# KiCad board dogooder.kicad_pcb
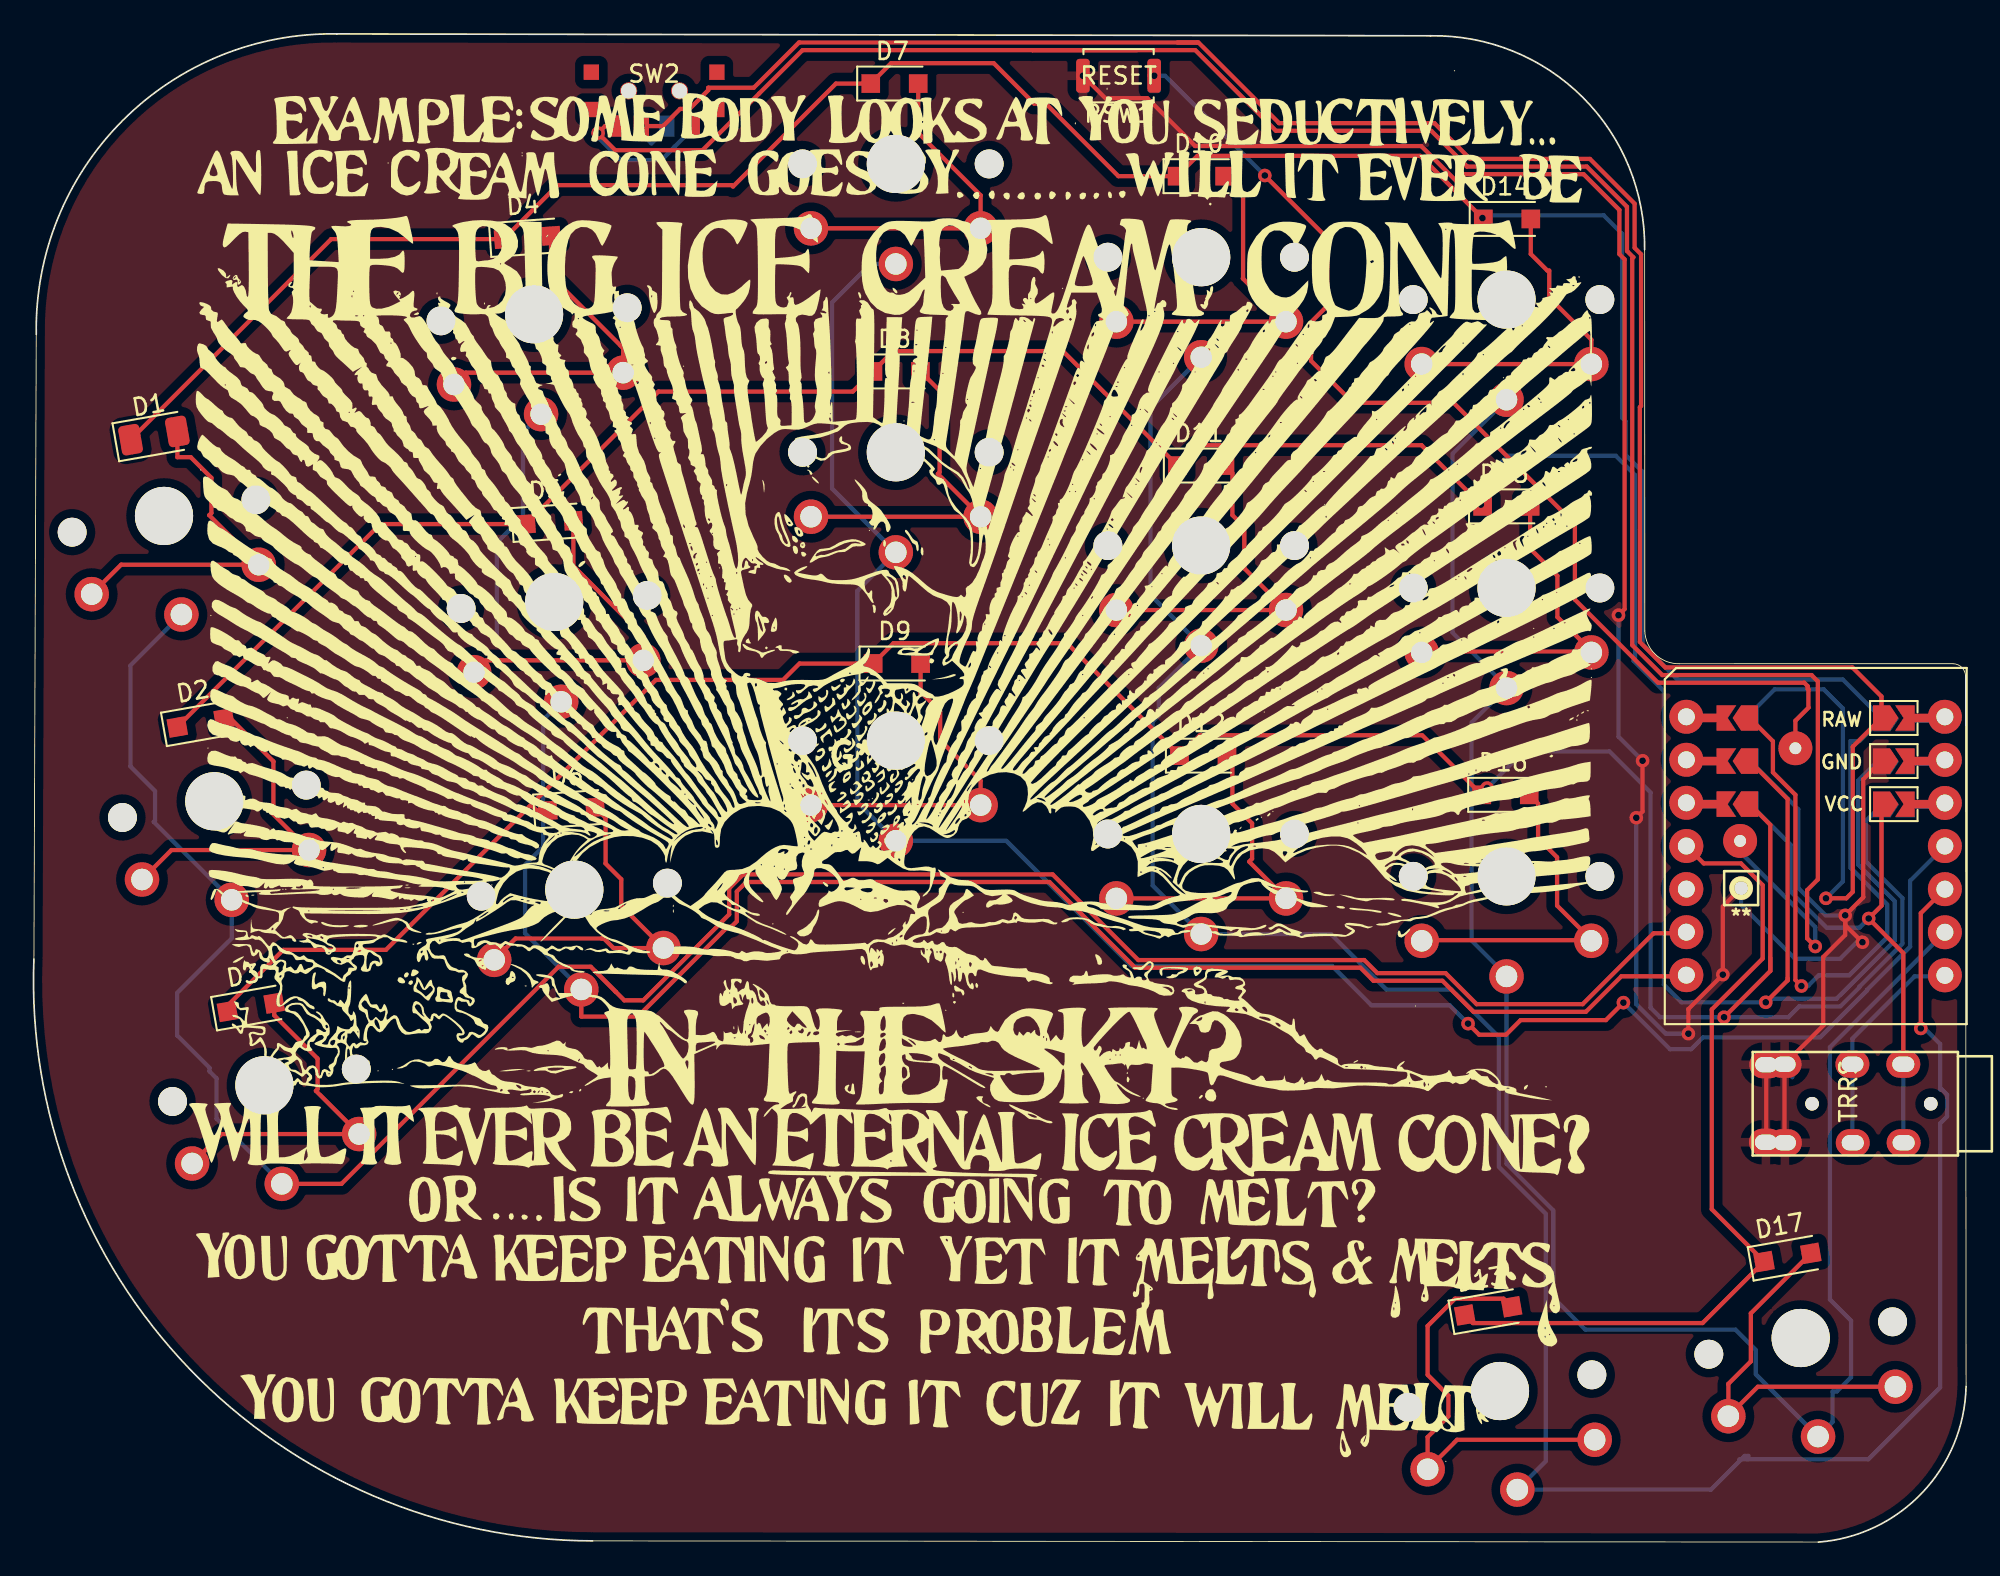
[diagram p0: board, top side]
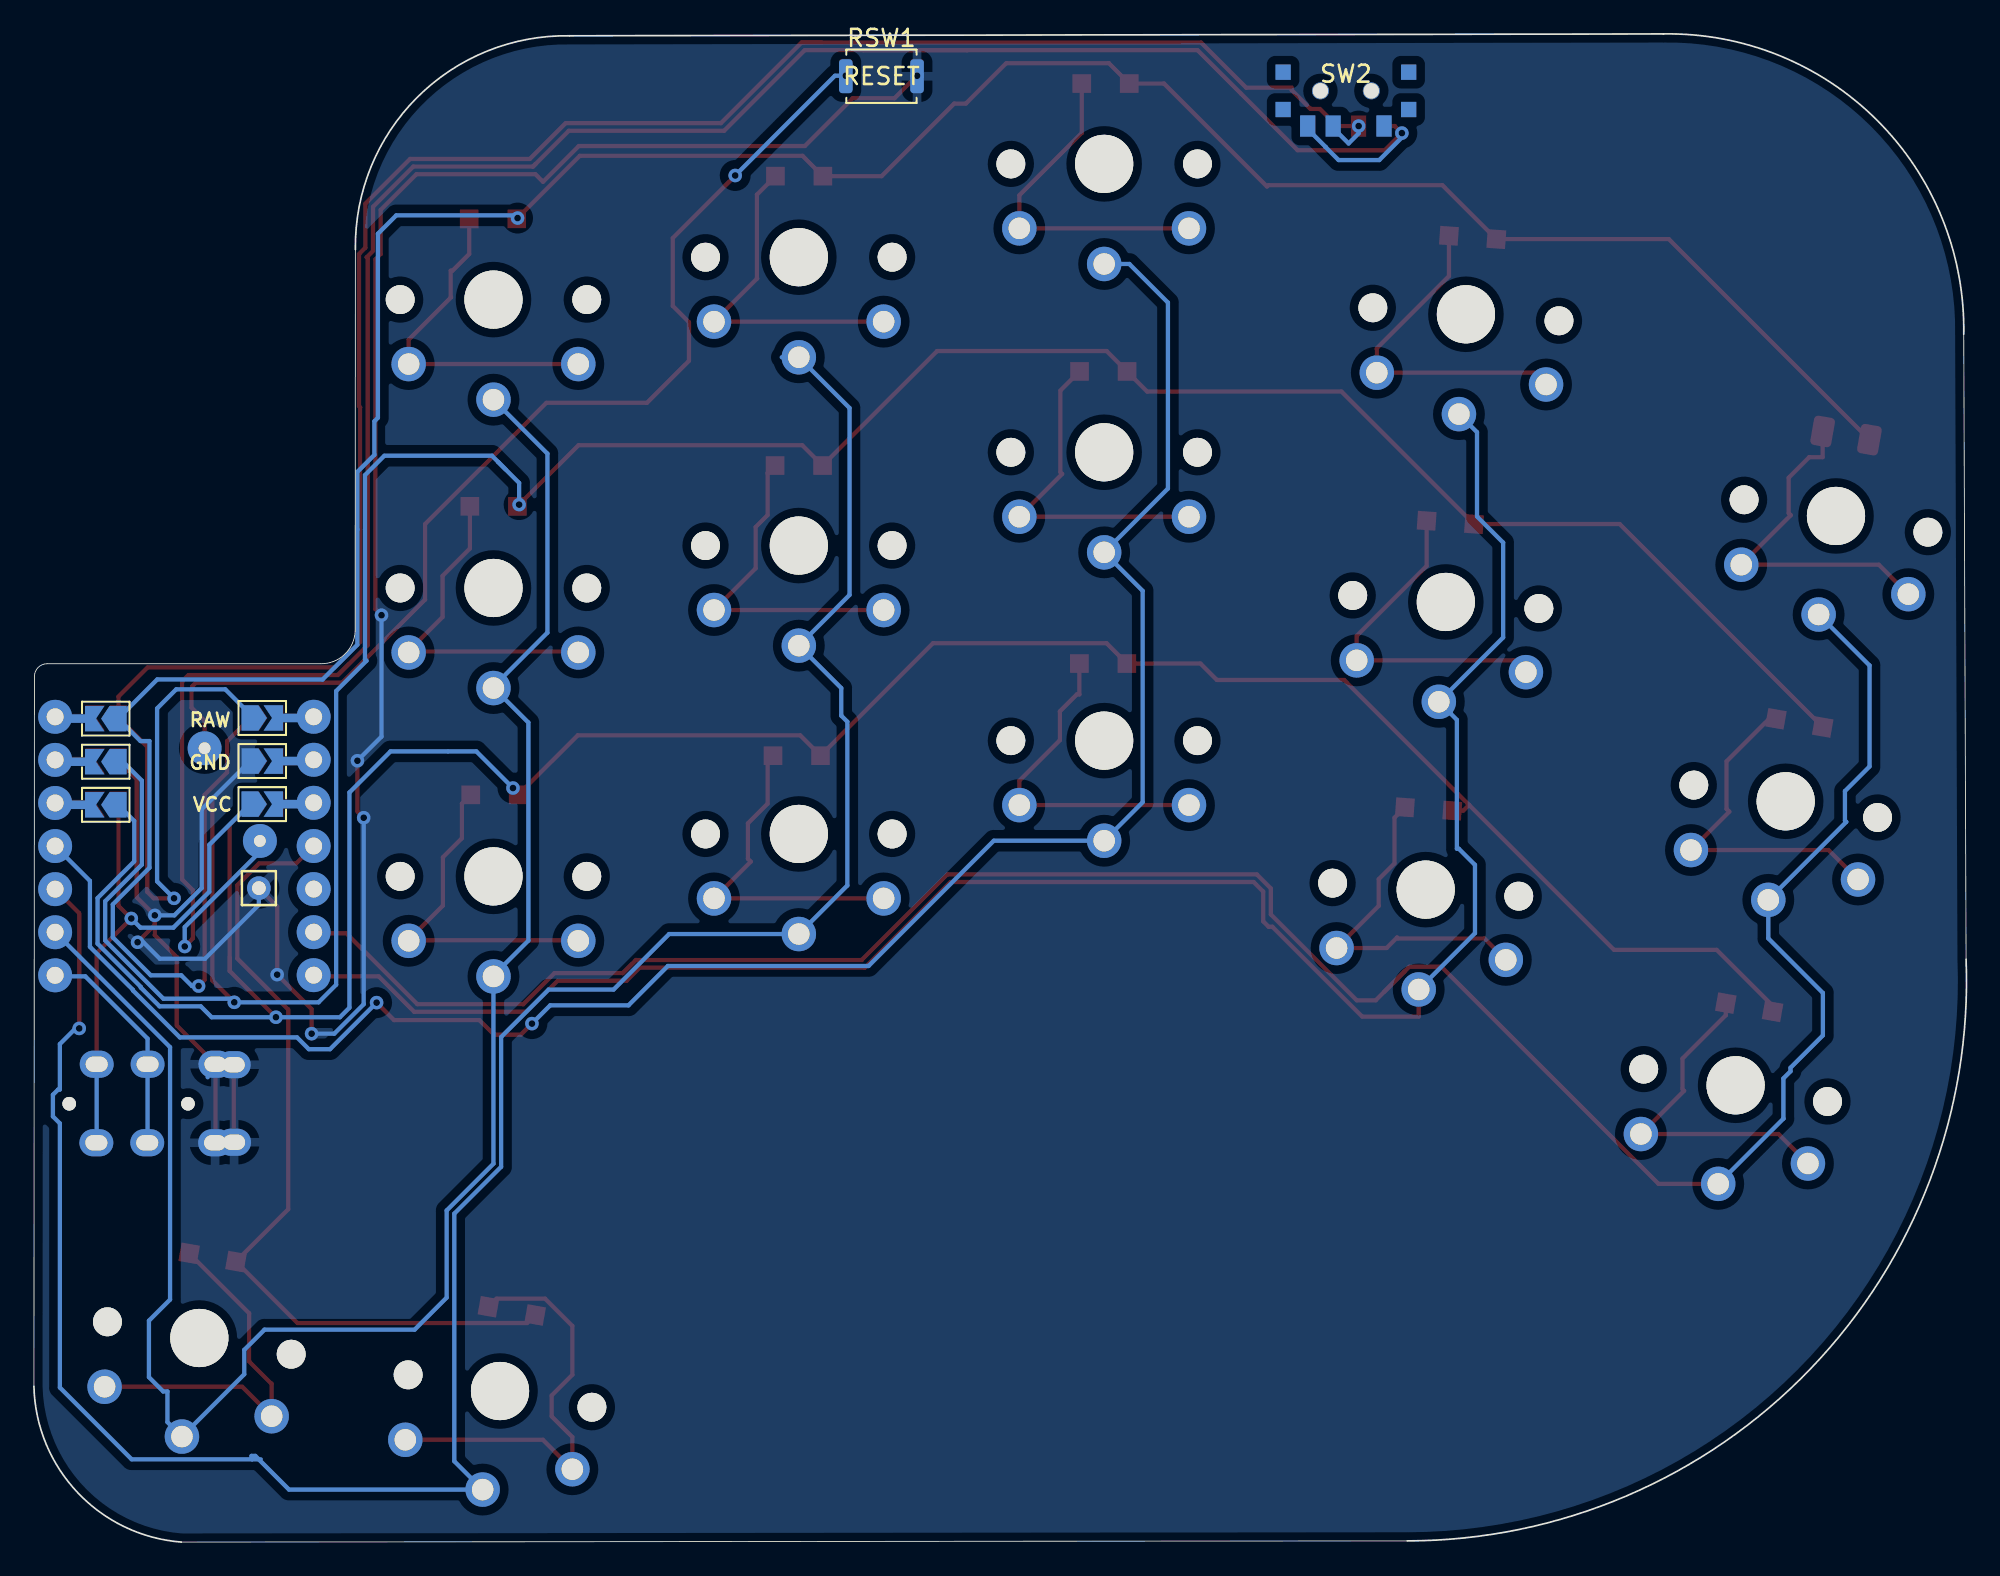
[diagram p1: board, bottom side, seen from below]

Outline 113.9 x 88.91 mm; copper layers: Top, Bottom. Coordinates in mm from the lower left corner of the outline.
Outline path: 0.14,71.21 0,34.36 arc(9.17,10.21) 32.93,0.07 105.21,0 arc(111.32,2.91) 113.9,9.17 113.87,51.03 arc(113.65,51.56) 113.12,51.78 97,51.78 arc(95.59,52.33) 94.96,53.71 94.95,76.2 arc(91.3,85.17) 82.33,88.8 17.85,88.91 arc(5.24,83.81) 0.14,71.21

## Placement (name value [footprint] x y rotation side)
**  Val**  [1pin_conn]  100.64 38.55 0 top
D1  D  [D_1206_3216Metric]  7.08 65.23 10 top
D2  D  [D_SOD-123F]  9.83 48.29 10 top
D3  D  [D_SOD-123F]  12.79 31.53 10 top
D4  D  [D_SOD-123F]  29.09 76.91 4 top
D5  D  [D_SOD-123F]  30.4 60.11 4 top
D6  D  [D_SOD-123F]  31.68 43.22 4 top
D7  D  [D_SOD-123F]  50.73 85.98 0 top
D8  D  [D_SOD-123F]  50.86 69.01 0 top
D9  D  [D_SOD-123F]  50.87 51.79 0 top
D10  D  [D_SOD-123F]  68.79 80.52 0 top
D11  D  [D_SOD-123F]  68.81 63.46 0 top
D12  D  [D_SOD-123F]  68.93 46.36 0 top
D13  D  [D_SOD-123F]  85.73 13.63 10 top
D14  D  [D_SOD-123F]  86.84 78 0 top
D15  D  [D_SOD-123F]  86.8 61.06 0 top
D16  D  [D_SOD-123F]  86.75 44.05 0 top
D17  D  [D_SOD-123F]  103.37 16.78 10 top
G***  LOGO  [icecream]  49.38 46.34 0 top
J1  AudioJack4dpb  [TRRS-PJ-DPB2]  113.42 25.84 270 top
RSW1  SW_PUSH  [SW_Push_SPST_NO_Alps_SKRK]  63.94 86.44 180 top
RSW1#2  SW_PUSH  [SW_Push_SPST_NO_Alps_SKRK]  63.94 86.41 180 bottom
SW2  SW_SPDT  [SPDT_C128955]  36.56 85.55 0 top
SW2#2  SW_PUSH  [SW_PG1350_reversible_b2_v3]  7.67 60.49 10 top
SW2#3  SW_SPDT  [SPDT_C128955r]  36.56 85.55 180 bottom
SW3  SW_PUSH  [SW_PG1350_reversible_b2_v3]  29.48 72.38 4 top
SW4  SW_PUSH  [SW_PG1350_reversible_b2_v3]  50.81 81.24 0 top
SW5  SW_PUSH  [SW_PG1350_reversible_b2_v3]  68.81 75.74 0 top
SW6  SW_PUSH  [SW_PG1350_reversible_b2_v3]  86.81 73.24 0 top
SW8  SW_PUSH  [SW_PG1350_reversible_b2_v3]  10.63 43.67 10 top
SW9  SW_PUSH  [SW_PG1350_reversible_b2_v3]  30.67 55.42 4 top
SW10  SW_PUSH  [SW_PG1350_reversible_b2_v3]  50.81 64.24 0 top
SW11  SW_PUSH  [SW_PG1350_reversible_b2_v3]  68.81 58.74 0 top
SW12  SW_PUSH  [SW_PG1350_reversible_b2_v3]  86.81 56.24 0 top
SW14  SW_PUSH  [SW_PG1350_reversible_b2_v3]  13.59 26.93 10 top
SW15  SW_PUSH  [SW_PG1350_reversible_b2_v3]  31.86 38.46 4 top
SW16  SW_PUSH  [SW_PG1350_reversible_b2_v3]  50.81 47.24 0 top
SW17  SW_PUSH  [SW_PG1350_reversible_b2_v3]  68.81 41.74 0 top
SW18  SW_PUSH  [SW_PG1350_reversible_b2_v3]  86.81 39.24 0 top
SW19  SW_PUSH  [SW_PG1350_reversible_b2_v3]  86.42 8.9 10 top
SW20  SW_PUSH  [SW_PG1350_reversible_b2_v3]  104.15 12.03 10 top
U1  SeeeduinoXIAO  [SeeeduinoXIAO-2.54-21X17.8MM-lpgala-holes-jumps]  96.14 30.53 0 top

## Library data of the parts
J1 = -: Field4: Ring2; Field5: Sleeve; Field6: Tip; Field7: Ring1

## Footprints (pads in the part's own frame, mm; a bottom-side part is the same pattern mirrored in y, then rotated)
1pin_conn
  round 1.397 hole 0.813: 1(0,0)
D_1206_3216Metric
  rrect 1.25x1.75 smd: 1(-1.4,0) 2(1.4,0)
D_SOD-123F
  rect 1.1x1.1 smd: 1(-1.4,0) 2(1.4,0)
SeeeduinoXIAO-2.54-21X17.8MM-lpgala-holes-jumps
  round 2 hole 1: (1.27,18.12) (1.27,15.585) (1.27,13.049) (16.51,18.118) (16.51,15.578) (16.51,13.038) 4(1.27,10.5) 5(1.27,7.962) 6(1.27,5.422) 7(1.27,2.888) 8(16.51,2.878) 9(16.51,5.418) 10(16.51,7.958) 11(16.51,10.498)
  rect 1.524x0.5 smd: (2.625,18.05) (2.625,15.51) (2.625,12.97) (15.175,18.05) (15.175,15.51) (15.175,12.97)
  rect 1.524x0.5 smd far side: (2.65,18.05) (2.65,15.51) (2.65,12.97) (15.2,18.01) (15.2,15.47) (15.2,12.93)
  custom 1.15x1.5 smd: (3.55,18.05) (3.55,15.51) (3.55,12.97) (14.225,18.05) (14.225,15.51) (14.225,12.97)
  custom 1.15x1.5 smd far side: (3.575,18.05) (3.575,15.51) (3.575,12.97) (14.25,18.01) (14.25,15.47) (14.25,12.93)
  custom 1.5x1.5 smd: 1(5,18.05) 2(5,15.51) 3(5,12.97) 12(12.775,12.97) 13(12.775,15.51) 14(12.775,18.05)
  custom 1.5x1.5 smd far side: 1(12.8,18.01) 2(12.8,15.47) 3(12.8,12.93) 12(5.025,12.97) 13(5.025,15.51) 14(5.025,18.05)
  round 2 hole 0.7: 15(7.699,16.264) 16(4.44,10.8)
SPDT_C128955
  round 1 hole 0.9 unplated: (-1.5,0) (1.5,0)
  rect 0.9x0.9 smd: 0(-3.7,1.1) 0(-3.7,-1.1) 0(3.7,1.1) 0(3.7,-1.1)
  rect 0.9x1.25 smd: 1(2.25,-2.075) 2(-0.75,-2.075) 3(-2.25,-2.075)
SPDT_C128955r
  rect 0.9x0.9 smd: 0(-3.7,-1.1) 0(-3.7,1.1) 0(3.7,-1.1) 0(3.7,1.1)
  rect 0.9x1.25 smd: 1(2.25,-2.075) 2(-0.75,-2.075) 3(-2.25,-2.075)
SW_PG1350_reversible_b2_v3
  round 1.702 hole 1.702 unplated: (-5.5,0) (5.5,0)
  round 3.429 hole 3.429 unplated: (0,0)
  round 2.032 hole 1.27: 1(0,-5.9) 2(-5,-3.8) 2(5,-3.8)
SW_Push_SPST_NO_Alps_SKRK
  rrect 0.8x2 smd: 1(-2.1,0) 2(2.1,0)
TRRS-PJ-DPB2
  round 0.8 hole 0.8 unplated: (0,-1.6) (0,-8.6)
  oval 1.6x2 hole 0.9x1.3: R1(-2.33,-6.22) R1(2.3,-6.2) R2(-2.33,-3.22) R2(2.3,-3.2) S(-2.3,-11.3) S(2.27,-11.32) T(-2.33,-10.22) T(2.3,-10.2)

## Nets
gnd: **.1 J1.S J1.T RSW1.2 RSW1#2.2 U1.13
vcc: J1.R2 U1.12
BT+: SW2.3 SW2#3.3 U1.16
col1: SW2#2.1 SW8.1 SW14.1 U1.6
col2: SW3.1 SW9.1 SW15.1 U1.7
col3: SW4.1 SW10.1 SW16.1 U1.11
col4: SW5.1 SW11.1 SW17.1 SW19.1 U1.10
col5: SW6.1 SW12.1 SW18.1 SW20.1 U1.9
data: J1.R1 U1.8
raw: SW2.2 SW2#3.2 U1.14
reset: RSW1.1 RSW1#2.1 U1.15
row0: D1.1 D4.1 D7.1 D10.1 D14.1 U1.1
row1: D2.1 D5.1 D8.1 D11.1 D15.1 U1.2
row2: D3.1 D6.1 D9.1 D12.1 D16.1 U1.3
row3: D13.1 D17.1 U1.4
Net-(D1-Pad2): D1.2 SW2#2.2
Net-(D2-Pad2): D2.2 SW8.2
Net-(D3-Pad2): D3.2 SW14.2
Net-(D4-Pad2): D4.2 SW3.2
Net-(D5-Pad2): D5.2 SW9.2
Net-(D6-Pad2): D6.2 SW15.2
Net-(D7-Pad2): D7.2 SW4.2
Net-(D8-Pad2): D8.2 SW10.2
Net-(D9-Pad2): D9.2 SW16.2
Net-(D10-Pad2): D10.2 SW5.2
Net-(D11-Pad2): D11.2 SW11.2
Net-(D12-Pad2): D12.2 SW17.2
Net-(D13-Pad2): D13.2 SW19.2
Net-(D14-Pad2): D14.2 SW6.2
Net-(D15-Pad2): D15.2 SW12.2
Net-(D16-Pad2): D16.2 SW18.2
Net-(D17-Pad2): D17.2 SW20.2

Pads without a net: SW2 0 1; SW2#3 0 1; U1 5

## Via types
v1: diameter 0.8, hole 0.4, Top to Bottom, 24 vias

## Routing (per net, layer and track width the routed paths; a pad name or vN(x,y) marks a point on that pad's centre or on a via; arc(x,y) is an arc through that point)
gnd: length 151.2
  Top w0.25: v1(106.77,36.94) 106.77,36.38 v1(107.79,35.36) ; v1(106.77,36.94) 106.77,35.78 105.48,34.49 105.48,30.45 J1.T 103.2,23.56 J1.T ; v1(106.77,36.94) 107.84,38.01 107.84,44.97 108.91,46.04 ; v1(106.77,36.94) 106.73,36.9 ; **.1 99.56,37.47 v1(99.56,33.45) 97.53,31.42 v1(97.53,29.97) ; J1.S 102.12,23.59 J1.S ; v1(94.83,46.06) 94.83,43.07 v1(94.46,42.7) ; 101.33,23.64 101.35,23.62 ; v1(93.41,54.64) 93.77,55 93.77,75.62 93.46,75.93 93.46,78.53 91.35,80.64 84.34,80.64 83.89,80.19 81.78,82.3 68.45,82.3 65.63,85.12 63.16,85.12 v1(61.84,86.44)
  Bottom w0.25: v1(93.41,54.64) 93.41,47.48 v1(94.83,46.06) ; v1(107.79,35.36) 107.45,35.36 106.48,34.39 103.82,34.39 100.64,37.56 **.1 ; v1(106.77,36.94) 105.62,36.94 104.01,38.56 104.01,43.2 U1.13 ; 103.66,28.36 103.66,27.4 ; v1(94.46,42.7) 94.46,31.7 96.19,29.97 v1(97.53,29.97)
vcc: length 33
  Top w0.25: 108.91,43.5 108.91,37.51 v1(108.16,36.76) 110.2,34.72 J1.R2
  Bottom w0.25: J1.R2 110.2,23.56 J1.R2 ; U1.12 103.56,41.11 103.56,38.34 105.68,36.22 107.62,36.22 v1(108.16,36.76)
(no net): length 0.2
  Bottom w0.25: SW2#3.1 34.31,83.27
BT+: length 144.8
  Top w0.25: 84.48,81.09 84.34,81.23 ; 84.48,81.09 91.54,81.09 93.91,78.71 93.91,76.11 94.29,75.74 94.22,75.67 94.22,52.88 95.99,51.11 104.79,51.11 105.16,50.74 105.16,39.06 104.53,38.43 104.53,35.59 v1(105.01,35.11) 105.11,35.01 ; 84.48,81.09 84.34,81.23 ; 84.34,81.23 82.37,83.2 73.21,83.2 68.46,87.95 65.01,87.95 ; 65.01,87.95 58.88,87.95 58.87,87.94 ; 65.01,87.95 45.31,87.95 39.41,82.05 34.27,82.05 v1(33.26,83.06) 33.68,83.47 SW2.3 34.31,83.89
  Bottom w0.25: U1.16 100.58,40.68 105.01,36.25 v1(105.01,35.11) ; SW2#3.3 38.81,83.3 37.76,82.25 37.76,82.24 36.99,81.47 34.59,81.47 33.26,82.8 v1(33.26,83.06)
col1: length 141.5
  Top w0.25: 34.3,32.43 34.8,31.94 35.92,31.94 40.98,37 40.98,38.53 41.81,39.36 60.05,39.36 65.1,34.31 78.42,34.31 79.19,33.54 83.22,33.54 85.05,31.71 91.3,31.71 95.48,35.89 96.8,35.89 ; 34.3,32.43 32.82,33.92 30.93,33.92 18.13,21.12 SW14.1 ; 34.3,32.43 33.09,33.64
  Bottom w0.25: SW14.1 10.76,24.96 10.77,24.97 10.77,27.33 10.35,27.75 10.35,27.96 8.44,29.87 8.44,32.37 11.66,35.59 SW8.1 7.06,42.45 7.14,42.53 7.14,44.27 5.69,45.72 5.69,51.68 SW2#2.1 ; 11.82,38.56 11.8,38.56 10.88,37.64
col2: length 113.4
  Top w0.25: 96.8,33.35 93.58,33.35 91.49,31.26 84.86,31.26 83.03,33.09 78.96,33.09 78.19,33.86 64.94,33.86 64.93,33.85 59.86,38.91 42,38.91 41.43,38.35 41.43,36.59 41.11,36.27 40.9,36.27 35.6,30.98 32.27,30.98 SW15.1
  Bottom w0.25: SW3.1 28.83,65.43 28.83,60.46 27.29,58.92 27.29,53.33 SW9.1 30.02,48.47 30.02,40.87 29.9,40.87 28.95,39.92 28.95,35.89 SW15.1 ; 30.4,48.93 30.38,48.93
col3: length 115.6
  Top w0.25: v1(93.7,31.8) 92.67,30.77 87.64,30.77 86.78,29.91 85.2,29.91 v1(84.54,30.56)
  Bottom w0.25: U1.11 110.6,38.98 110.6,35.09 108.06,32.56 108.06,32.52 105.3,29.75 98.39,29.75 97.69,29.05 96.44,29.05 v1(93.7,31.8) ; SW4.1 49.32,75.34 47.05,73.07 47.05,62.1 SW10.1 48.54,56.07 48.54,43.61 SW16.1 57.32,41.34 64.7,33.96 76.53,33.96 78.85,31.64 83.47,31.64 v1(84.54,30.56)
col4: length 147.6
  Top w0.25: U1.10 111.23,37.07 v1(111.23,30.28)
  Bottom w0.25: 69.81,69.84 SW5.1 65.82,66.85 65.82,55.83 SW11.1 66.31,50.34 66.31,48.72 65.95,48.36 65.95,38.7 SW17.1 76.46,35.84 79.73,32.57 83.56,32.57 86.36,29.77 86.36,22.12 89.12,19.36 89.12,4.77 SW19.1 98.86,3.09 100.85,5.08 101.07,5.08 101.07,4.91 101.04,4.88 ; 101.04,4.88 100.53,4.88 ; 101.04,4.88 108.14,4.88 112.37,9.11 112.37,24.68 112.78,25.09 112.78,26.37 112.47,26.68 112.37,26.68 112.37,29.36 111.45,30.28 v1(111.23,30.28)
col5: length 112.3
  Bottom w0.25: 86.83,33.38 84.75,35.46 84.75,48.31 86.84,50.4 83.63,53.61 83.63,64.16 SW6.1 ; SW18.1 86.81,22.31 89.57,19.55 89.57,14.41 91.46,12.52 100.31,12.52 101.5,11.33 101.5,9.89 SW20.1 106.03,7.08 106.03,8.88 106.28,8.88 107.12,9.72 107.12,13.05 105.88,14.29 105.88,29.17 U1.9
data: length 12.5
  Bottom w0.25: 112.04,33.35 110.87,33.35 107.2,29.68 J1.R1 107.2,23.56 J1.R1
raw: length 142.3
  Top w0.25: v1(105.64,37.95) 106.84,37.95 107.22,38.33 107.22,46.89 108.91,48.58 108.91,49.84 107.2,51.56 96.17,51.56 94.67,53.06 94.67,66.9 94.74,66.97 94.74,75.92 94.36,76.3 94.36,78.9 91.72,81.54 84.67,81.54 82.56,83.65 73.4,83.65 68.65,88.4 68.55,88.4 ; 68.55,88.4 45.1,88.4 42.44,85.73 39.75,85.73 39.75,85.59 38.64,84.48 38.09,84.48 37.08,83.47 v1(35.81,83.47) ; 68.55,88.4 67.44,88.4
  Bottom w0.25: v1(105.64,37.95) 106.64,38.95 106.64,49.14 105.51,50.27 102.62,50.27 101.16,48.81 U1.14 ; SW2#3.2 37.31,83.36 36.4,82.45 35.81,83.04 v1(35.81,83.47)
reset: length 65.5
  Top w0.25: 72.68,80.43 76.24,76.87 76.24,72.87 75.29,71.91 75.29,69.63 77.76,67.16 83.69,67.16 90.84,60.01 90.84,55.56 95.74,50.66 104.36,50.66 104.56,50.46 104.56,50.31 104.61,50.26 104.61,49.19 103.84,48.42 U1.15
  Bottom w0.25: 72.6,80.52 v1(72.56,80.56) 66.68,86.44 v1(66.04,86.44)
row0: length 181.4
  Top w0.25: v1(104.19,32.78) 103.84,33.13 103.84,44.05 102.51,45.38 102.51,47.21 U1.1 ; D14.1 v1(85.39,78.05) 81.72,81.72 68.59,81.72 D10.1 63.93,80.52 59.65,84.8 58.96,84.8 56.58,87.18 50.53,87.18 D7.1 47.28,85.98 41.21,79.91 41.13,79.99 30.87,79.99 D4.1 17.52,76.81 D1.1
  Bottom w0.25: v1(85.39,78.05) 85.55,78.21 92.54,78.21 93.62,77.13 93.62,66.28 93.83,66.07 93.83,64.09 94.83,63.09 94.83,59.7 94.83,52.9 96.88,50.85 106.63,50.85 U1.1 107.62,47.22 107.09,47.22 107.09,39.75 109.25,37.59 109.25,35.65 107.01,33.41 105.21,33.41 104.58,32.78 v1(104.19,32.78)
row1: length 177.4
  Top w0.25: 103.38,33.11 103.38,33.23 ; 103.38,33.11 v1(102.09,31.82) ; 103.38,33.11 103.38,43.8 U1.2 ; D15.1 v1(85.3,61.16) 81.8,64.66 68.61,64.66 D11.1 60.66,70.21 50.66,70.21 D8.1 48.27,67.82 36.82,67.82 D5.1 20.42,60.01 D2.1
  Bottom w0.25: v1(85.3,61.16) 85.3,62.44 86.54,63.68 ; 86.54,63.68 86.1,63.24 ; 86.54,63.68 86.9,64.04 93.24,64.04 94.38,62.9 94.38,59.7 94.38,52.04 94.3,51.95 96.09,50.16 96.09,32.85 97.12,31.82 v1(102.09,31.82) 102.3,32.03 106.27,32.03 109.7,35.46 109.7,37.78 107.54,39.94 107.54,44.89 108.65,46 U1.2
row2: length 154.6
  Top w0.25: v1(99.63,30.94) 102.36,33.67 ; 102.36,33.67 102.36,34.47 ; 102.36,33.67 102.36,42.28 U1.3 ; 29.3,43.46 20.75,34.91 14.7,34.91 11.41,31.62 D3.1 ; 29.3,43.46 36.66,50.82 44.17,50.82 45.13,51.79 D9.1 50.67,52.99 60.9,52.99 D12.1 68.73,47.56 81.84,47.56 D16.1 ; 29.3,43.46 29.64,43.12 D6.1
  Bottom w0.25: U1.3 107.99,42.51 107.99,40.12 110.15,37.96 110.15,35.28 107.6,32.73 107.6,32.69 106.49,31.58 104.06,31.58 103.42,30.94 v1(99.63,30.94) 95.86,30.94 95.3,31.5 95.3,44.19 92.88,46.61 87.82,46.61 v1(85.66,44.45)
row3: length 49.5
  Top w0.25: U1.4 98.43,40.01 100.63,40.01 101.91,38.73 101.91,34.4 98.91,31.4 98.91,19.62 D17.1 98.37,12.91 84.83,12.91 D13.1
Net-(D1-Pad2): length 21
  Top w0.25: D1.2 8.46,63.95 9.25,63.95 10.46,62.74 10.46,60.66 10.33,60.53 SW2#2.2 5.14,57.62 SW2#2.2
Net-(D2-Pad2): length 20.7
  Top w0.25: SW8.2 8.11,40.8 SW8.2 13.96,43.06 14.12,43.22 14.12,46.02 11.61,48.53 D2.2
Net-(D3-Pad2): length 20.4
  Top w0.25: D3.2 14.16,31.06 16.72,28.5 16.72,26.7 16.62,26.6 SW14.2 11.06,24.05 SW14.2
Net-(D4-Pad2): length 20.1
  Top w0.25: SW3.2 25.46,68.94 SW3.2 34.74,70.37 30.48,74.63 D4.2
Net-(D5-Pad2): length 20.2
  Top w0.25: D5.2 31.8,57.54 35.92,53.41 SW9.2 26.64,51.98 SW9.2
Net-(D6-Pad2): length 20.7
  Top w0.25: D6.2 33.7,42.7 33.7,40 34.62,39.08 34.62,37.5 SW15.2 34.16,35.02 33.54,35.64 33.48,35.58 28.39,35.58 SW15.2
Net-(D7-Pad2): length 20.1
  Top w0.25: D7.2 52.13,83.07 55.81,79.39 SW4.2 SW4.2
Net-(D8-Pad2): length 20.1
  Top w0.25: SW10.2 SW10.2 53.29,62.97 53.39,63.07 53.39,67.88 D8.2
Net-(D9-Pad2): length 19.9
  Top w0.25: D9.2 52.27,49.97 52.42,49.97 53.42,48.97 53.42,47.27 55.81,44.88 SW16.2 SW16.2
Net-(D10-Pad2): length 20.1
  Top w0.25: D10.2 71.28,79.43 71.28,74.5 71.27,74.49 SW5.2 SW5.2
Net-(D11-Pad2): length 20
  Top w0.25: D11.2 70.65,63.02 70.65,60.54 71.35,59.84 71.35,57.4 SW11.2 SW11.2
Net-(D12-Pad2): length 20
  Top w0.25: SW17.2 SW17.2 71.64,40.11 71.81,40.28 71.81,42.37 70.65,43.53 70.65,46.04 D12.2
Net-(D13-Pad2): length 25.8
  Top w0.25: D13.2 86.63,14.35 83.77,14.35 82.16,12.74 82.16,9.86 83.38,8.64 83.38,7.41 82.16,6.19 SW19.2 83.9,6.03 SW19.2
Net-(D14-Pad2): length 20.1
  Top w0.25: SW6.2 SW6.2 91.81,70.88 89.31,73.38 89.33,73.4 89.33,74.95 89.22,74.95 88.24,75.93 D14.2
Net-(D15-Pad2): length 20.1
  Top w0.25: D15.2 88.2,58.57 89.81,56.96 89.81,54.53 91.84,52.5 81.84,52.5
Net-(D16-Pad2): length 20.1
  Top w0.25: D16.2 88.67,43.53 88.67,41.49 89.79,40.37 89.79,37.52 91.83,35.48 81.83,35.48
Net-(D17-Pad2): length 22.2
  Top w0.25: D17.2 101.21,13.49 101.21,10.65 99.89,9.33 SW20.2 101.62,9.16 SW20.2

## Copper pours and planes (outline as drawn; the poured copper is in the pictures)
gnd on Top: 82.74,94.45 86.2,94.03 123.05,93.32 120.37,35.57 115.27,-35.24 -6.37,-25.86 -4.11,86.54 75.54,98.83
gnd on Bottom: 83.32,96.92 86.78,96.5 123.63,95.79 120.95,38.04 116.31,-26.69 -5.33,-17.31 -3.53,89.01 76.12,101.3
